# Altium PCB NORA-B1-EVK.PcbDoc (part 2 of 6)
Units mil, origin at the board's own origin, x right, y up, seen from the top; angles counter-clockwise.
Board outline 4300 x 2200 mil, 4 copper layers (L1, L2, L3, L4), stack 61.418 mil thick; 362 components, 204 nets, 1273 pads, 1409 vias.
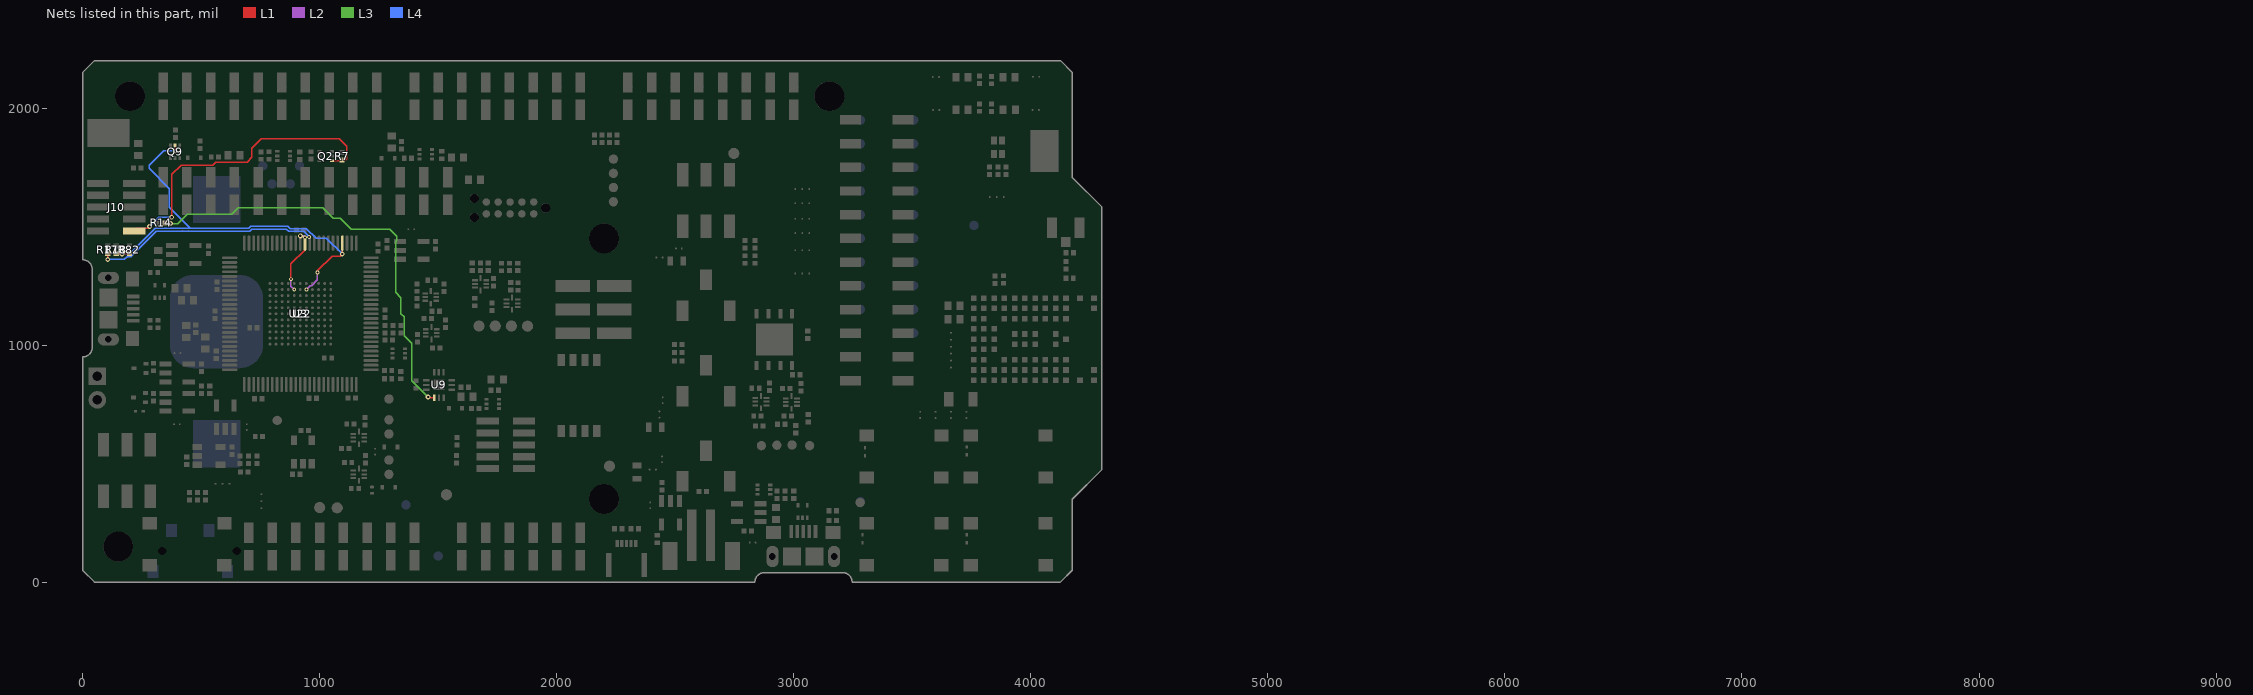
[diagram p4: the nets of this part, all layers, seen from the top]

## Footprints (in the part's own frame and the unit in brackets; to place one, negate y for a bottom-side part, rotate by r counter-clockwise, add the part's x,y. Pads: shape width x height; smd on the part's side, far side on the other; paste and mask are expansions set on the pad) (continued)
Solderbridge-Option#2 [mm]
  round 0.2 smd paste-10: 1(0,0) 2(0.75,0) 3(1.501,0)
  L1 region: 1.265,0.432 1.341,0.505 1.459,0.467 1.523,0.424 1.597,0.351 1.65,0.292 1.709,0.193 1.737,0.099 1.732,-0.122 1.706,-0.193 1.623,-0.33 1.539,-0.411 1.447,-0.469 1.346,-0.5 1.295,-0.483 1.265,-0.43
  L1 region: 0.236,-0.432 0.16,-0.505 0.042,-0.467 -0.023,-0.424 -0.097,-0.351 -0.15,-0.292 -0.208,-0.193 -0.236,-0.099 -0.231,0.122 -0.206,0.193 -0.122,0.33 -0.038,0.411 0.054,0.469 0.155,0.5 0.206,0.483 0.236,0.43
  L1 region: 0.575,0.45 0.575,-0.45 0.925,-0.45 0.925,0.45
  L1 lines w0.152: 0.159,-0.431 cw(c0.27,0) 0.159,0.431 ; 1.341,-0.431 ccw(c1.231,0) 1.675,0 ccw(c1.231,0) 1.423,0.401 ccw(c1.231,0) 1.341,0.431
  L1 lines w0.153: 0.575,-0.45 0.925,-0.45 0.925,0.45 0.575,0.45 0.575,-0.45
  L1 lines w0.203: 0,0 0.75,0
Solderbridge-Option#3 [mm]
  round 0.2 smd paste-10: 1(0,0) 2(0.75,0) 3(1.501,0)
  L1 region: 1.265,0.432 1.341,0.505 1.459,0.467 1.523,0.424 1.597,0.351 1.65,0.292 1.709,0.193 1.737,0.099 1.732,-0.122 1.706,-0.193 1.623,-0.33 1.539,-0.411 1.447,-0.469 1.346,-0.5 1.295,-0.483 1.265,-0.43
  L1 region: 0.236,-0.432 0.16,-0.505 0.042,-0.467 -0.023,-0.424 -0.097,-0.351 -0.15,-0.292 -0.208,-0.193 -0.236,-0.099 -0.231,0.122 -0.206,0.193 -0.122,0.33 -0.038,0.411 0.054,0.469 0.155,0.5 0.206,0.483 0.236,0.43
  L1 region: 0.575,0.45 0.575,-0.45 0.925,-0.45 0.925,0.45
  L1 lines w0.152: 0.159,-0.431 cw(c0.27,0) 0.159,0.431 ; 1.341,-0.431 ccw(c1.231,0) 1.501,-0.353 ccw(c1.231,0) 1.649,-0.149 ccw(c1.231,0) 1.675,0 ccw(c1.231,0) 1.501,0.353 ccw(c1.231,0) 1.341,0.431
  L1 lines w0.153: 0.575,-0.45 0.925,-0.45 0.925,0.45 0.575,0.45 0.575,-0.45
  L1 lines w0.203: 0,0 0.75,0
Solderbridge-Option#4 [mm]
  round 0.2 smd paste-10: 1(0,0) 2(0.75,0) 3(1.501,0)
  L1 region: 1.265,0.432 1.341,0.505 1.459,0.467 1.523,0.424 1.597,0.351 1.65,0.292 1.709,0.193 1.737,0.099 1.732,-0.122 1.706,-0.193 1.623,-0.33 1.539,-0.411 1.447,-0.469 1.346,-0.5 1.295,-0.483 1.265,-0.43
  L1 region: 0.236,-0.432 0.16,-0.505 0.042,-0.467 -0.023,-0.424 -0.097,-0.351 -0.15,-0.292 -0.208,-0.193 -0.236,-0.099 -0.231,0.122 -0.206,0.193 -0.122,0.33 -0.038,0.411 0.054,0.469 0.155,0.5 0.206,0.483 0.236,0.43
  L1 region: 0.575,0.45 0.575,-0.45 0.925,-0.45 0.925,0.45
  L1 lines w0.152: 0.159,-0.431 cw(c0.27,0) 0.159,0.431 ; 1.341,-0.431 ccw(c1.231,0) 1.501,-0.353 ccw(c1.231,0) 1.649,-0.149 ccw(c1.231,0) 1.675,0 ccw(c1.231,0) 1.649,0.149 ccw(c1.231,0) 1.549,0.31 ccw(c1.231,0) 1.341,0.431
  L1 lines w0.153: 0.575,-0.45 0.925,-0.45 0.925,0.45 0.575,0.45 0.575,-0.45
  L1 lines w0.203: 0,0 0.75,0
Solderbridge-Option#5 [mm]
  round 0.2 smd paste-10: 1(0,0) 2(0.75,0) 3(1.501,0)
  L1 region: 0.575,0.45 0.575,-0.45 0.925,-0.45 0.925,0.45
  L1 region: 0.236,-0.432 0.16,-0.505 0.042,-0.467 -0.023,-0.424 -0.097,-0.351 -0.15,-0.292 -0.208,-0.193 -0.236,-0.099 -0.231,0.122 -0.206,0.193 -0.122,0.33 -0.038,0.411 0.054,0.469 0.155,0.5 0.206,0.483 0.236,0.43
  L1 region: 1.265,0.432 1.341,0.505 1.459,0.467 1.523,0.424 1.597,0.351 1.65,0.292 1.709,0.193 1.737,0.099 1.732,-0.122 1.706,-0.193 1.623,-0.33 1.539,-0.411 1.447,-0.469 1.346,-0.5 1.295,-0.483 1.265,-0.43
  L1 lines w0.152: 0.159,-0.431 cw(c0.27,0) 0.159,0.431 ; 1.341,-0.431 ccw(c1.231,0) 1.649,-0.149 ccw(c1.231,0) 1.675,0 ccw(c1.231,0) 1.661,0.112 ccw(c1.231,0) 1.649,0.149 ccw(c1.231,0) 1.501,0.353 ccw(c1.231,0) 1.341,0.431
  L1 lines w0.153: 0.575,-0.45 0.575,0 0.575,0.45 0.744,0.45 0.912,0.45 0.925,0.45 0.925,0 0.925,-0.45 0.575,-0.45
  L1 lines w0.203: 0,0 0.575,0 0.75,0
Solderbridge-Option#6 [mm]
  round 0.2 smd paste-10: 1(0,0) 2(0.75,0) 3(1.501,0)
  L1 region: 1.265,0.432 1.341,0.505 1.459,0.467 1.523,0.424 1.597,0.351 1.65,0.292 1.709,0.193 1.737,0.099 1.732,-0.122 1.706,-0.193 1.623,-0.33 1.539,-0.411 1.447,-0.469 1.346,-0.5 1.295,-0.483 1.265,-0.43
  L1 region: 0.575,0.45 0.575,-0.45 0.925,-0.45 0.925,0.45
  L1 region: 0.236,-0.432 0.16,-0.505 0.042,-0.467 -0.023,-0.424 -0.097,-0.351 -0.15,-0.292 -0.208,-0.193 -0.236,-0.099 -0.231,0.122 -0.206,0.193 -0.122,0.33 -0.038,0.411 0.054,0.469 0.155,0.5 0.206,0.483 0.236,0.43
  L1 lines w0.152: 0.159,-0.431 cw(c0.27,0) 0.159,0.431 ; 1.341,-0.431 ccw(c1.231,0) 1.675,0 ccw(c1.231,0) 1.341,0.431
  L1 lines w0.153: 0.575,-0.45 0.575,0.45 0.925,0.45 0.925,-0.45 0.575,-0.45
  L1 lines w0.203: 0,0 0.75,0
Solderbridge-Option#7 [mm]
  round 0.2 smd paste-10: 1(0,0) 2(0.75,0) 3(1.501,0)
  L1 region: 0.236,-0.432 0.16,-0.505 0.042,-0.467 -0.023,-0.424 -0.097,-0.351 -0.15,-0.292 -0.208,-0.193 -0.236,-0.099 -0.231,0.122 -0.206,0.193 -0.122,0.33 -0.038,0.411 0.054,0.469 0.155,0.5 0.206,0.483 0.236,0.43
  L1 region: 0.575,0.45 0.575,-0.45 0.925,-0.45 0.925,0.45
  L1 region: 1.265,0.432 1.341,0.505 1.459,0.467 1.523,0.424 1.597,0.351 1.65,0.292 1.709,0.193 1.737,0.099 1.732,-0.122 1.706,-0.193 1.623,-0.33 1.539,-0.411 1.447,-0.469 1.346,-0.5 1.295,-0.483 1.265,-0.43
  L1 lines w0.152: 1.341,-0.431 ccw(c1.231,0) 1.501,0.353 ccw(c1.231,0) 1.341,0.431 ; 0.159,-0.431 cw(c0.27,0) 0,-0.353 cw(c0.27,0) 0,0.353 cw(c0.27,0) 0.159,0.431
  L1 lines w0.153: 0.925,-0.45 0.925,0 0.925,0.45 0.74,0.45 0.575,0.45 0.575,0 0.575,-0.45 0.925,-0.45
  L1 lines w0.203: 0.75,0 0.74,0 0.575,0 0,0
Solderbridge-Short [mm]
  round 0.2 smd paste-10: 1(0,0) 2(0.676,0)
  L1 region: 0.44,0.432 0.516,0.505 0.634,0.467 0.698,0.424 0.772,0.351 0.826,0.292 0.884,0.193 0.912,0.099 0.907,-0.122 0.881,-0.193 0.798,-0.33 0.714,-0.411 0.622,-0.469 0.521,-0.5 0.47,-0.483 0.44,-0.43
  L1 region: 0.236,-0.432 0.16,-0.505 0.042,-0.467 -0.023,-0.424 -0.097,-0.351 -0.15,-0.292 -0.208,-0.193 -0.236,-0.099 -0.231,0.122 -0.206,0.193 -0.122,0.33 -0.038,0.411 0.054,0.469 0.155,0.5 0.206,0.483 0.236,0.43
  L1 lines w0.152: 0.516,0.431 cw(c0.406,0) 0.516,-0.431 ; 0.159,0.431 ccw(c0.27,0) 0.159,-0.431
  L1 lines w0.203: 0.676,0 0,0
SOP1.27P6.2x6.2-8Pin [mm] "SOP, 8-Leads, Body 6.2x6.2mm, Pitch 1.27mm"
  rect 1.27x0.76 smd: 1(-3.81,1.905) 2(-3.81,0.635) 3(-3.81,-0.635) 4(-3.81,-1.905) 5(3.81,-1.905) 6(3.81,-0.635) 7(3.81,0.635) 8(3.81,1.905)
  silkscreen extent -3.93,-3.1 2.78,3.1, body extent -4.09,-3.1 4.04,3.11, height 2.36
SOT-23-5_2 [mm] "SOT-23-5, 1.625mm x 2.9mm"
  rect 1.3x0.55 smd: 1(-1.25,0.95) 2(-1.25,0) 3(-1.25,-0.95) 4(1.25,-0.95) 5(1.25,0.95)
  silkscreen extent -1.71,1.39 -1.69,1.41, body extent -1.4,-1.45 1.4,1.45, height 1.45
SOT-23-5_3D_Body_Fix [mm] "SOT23-5, 5-Leads, Body 3.1x2.8mm, Pitch 0.95mm, IPC Medium Density"
  rect 1.05x0.66 smd: 1(-1.25,0.95) 2(-1.25,0) 3(-1.25,-0.95) 4(1.25,-0.95) 5(1.25,0.95)
  silkscreen extent -0.9,-1.58 0.92,1.58, body extent -1.4,-1.45 1.4,1.45, height 1.45
SOT-523 [mm] "SOT-523 package, IPC Medium density"
  rect 0.4x0.51 smd: 1(-0.5,-0.65) 2(0.5,-0.65) 3(0,0.65)
  silkscreen extent -0.88,-0.46 0.88,0.48, body extent -0.8,-0.8 0.8,0.8, height 0.8
SOT-553 [mm] "SOT-553, 5 lead 0.50mm pitch, 1.3mm x 1.7mm"
  rect 0.45x0.3 smd mask+0.05: 1(-0.675,0.5) 2(-0.675,0) 3(-0.675,-0.5) 4(0.675,-0.5) 5(0.675,0.5)
  silkscreen extent -0.92,-0.85 0.3,1.17, body extent -0.68,-0.85 0.67,0.85, height 0.6
SOT-563 [mm] "SOTFL, 6-Leads, Body 1.60x1.60mm, Pitch 0.50mm"
  rect 0.45x0.3 smd: 1(-0.675,0.5) 2(-0.675,0) 3(-0.675,-0.5) 4(0.675,-0.5) 5(0.675,0) 6(0.675,0.5)
  silkscreen extent -0.89,-0.85 0.05,1.14, body extent -0.63,-0.83 0.63,0.82, height 0.6
SSM-112-F-DV [mm] "24 Position Receptacle, Pass Through Connector Surface Moun"
  rect 1.01x2.238 smd: 1(-13.97,-2.825) 2(-13.97,2.825) 3(-11.43,-2.825) 4(-11.43,2.825) 5(-8.89,-2.825) 6(-8.89,2.825) 7(-6.35,-2.825) 8(-6.35,2.825) 9(-3.81,-2.825) 10(-3.81,2.825) 11(-1.27,-2.825) 12(-1.27,2.825) 13(1.27,-2.825) 14(1.27,2.825) 15(3.81,-2.825) 16(3.81,2.825) 17(6.35,-2.825) 18(6.35,2.825) 19(8.89,-2.825) 20(8.89,2.825) 21(11.43,-2.825) 22(11.43,2.825) 23(13.97,-2.825) 24(13.97,2.825)
  silkscreen extent -15.24,-2.54 15.24,2.54, body extent -15.24,-3.52 15.24,3.52, height 7.42
SW_Slide_DPDT_JS202011SCQN [mm] "SWITCH SLIDE DPDT 300MA 6V SMD"
  rect 1.2x2.5 smd: 1(-2.5,-2.75) 2(0,-2.75) 3(2.5,-2.75) 4(-2.5,2.75) 5(0,2.75) 6(2.5,2.75)
  silkscreen extent -4.5,-2.47 4.5,1.8, body extent -4.52,-3.75 4.52,3.75, height 5.5
SW_TACT_SMT_6mm [mm] "Tactile Switch, SMT 6mm x 6mm, height 4.3mm, actuator 160gf"
  rect 1.55x1.3 smd: 1(-4,2.25) 3(-4,-2.25) 4(4,-2.25)
  rect 1.5x1.3 smd: 2(4,2.25)
  silkscreen extent -4.5,-3.3 4.5,3.3, body extent -4.5,-3.1 4.5,3.1, height 4.29
TC2050-IDC-NL [mm] "CON PADS FOR CBL PLUG-OF-NAILS 10-PIN NO LEGS"
  round 0.8 smd paste-0.9: 1(0,0) 2(1.27,0) 3(2.54,0) 4(3.81,0) 5(5.08,0) 6(5.08,1.27) 7(3.81,1.27) 8(2.54,1.27) 9(1.27,1.27) 10(0,1.27)
  round 1 hole 1 unplated paste-1.1: A(-1.27,0.635) B(6.35,-0.381) C(6.35,1.651)
  L1 pour cut-out: 0,1.27 5.08,1.27 5.08,0 0,0
TP4.5x3Sq [mm] "Test Point, 4.5mm x 3.0mm Square"
  rect 4.5x3 smd paste-2.54: 1(0,0)
TP10R [mm] "Testpoint, Round 1.0mm Dia"
  round 1 smd paste-0.5: 1(0,0)
  silkscreen extent -0.7,-0.7 0.7,0.7, body extent -0.5,-0.5 0.5,0.5, height 0.05
TP10R_NO_SILK [mm] "Testpoint, Round 1.0mm Dia, No Silkscreen"
  round 1 smd paste-0.5: 1(0,0)
  body extent -0.5,-0.5 0.5,0.5, height 0.05
TP12R [mm] "Testpoint, Round 1.2mm Dia"
  round 1.2 smd paste-0.635: 1(0,0)
  silkscreen extent -0.8,-0.8 0.8,0.8, body extent -0.6,-0.6 0.6,0.6, height 0.05
TSM-113-01-L-SV [mm] "Connector Header Surface Mount 13 position 0.100\" (2.54mm)"
  rect 1.02x2.19 smd: 1(0,-1.465) 1(0,1.465) 2(2.54,-1.465) 2(2.54,1.465) 3(5.08,-1.465) 3(5.08,1.465) 4(7.62,-1.465) 4(7.62,1.465) 5(10.16,-1.465) 5(10.16,1.465) 6(12.7,-1.465) 6(12.7,1.465) 7(15.24,-1.465) 7(15.24,1.465) 8(17.78,-1.465) 8(17.78,1.465) 9(20.32,-1.465) 9(20.32,1.465) 10(22.86,-1.465) 10(22.86,1.465) 11(25.4,-1.465) 11(25.4,1.465) 12(27.94,-1.465) 12(27.94,1.465) 13(30.48,-1.465) 13(30.48,1.465)
  silkscreen extent -1.27,-1.27 31.75,1.27, body extent -1.27,-2.5 31.75,2.5, height 9.82
TSQFP50P1600X1600X160-100N [mm] "BGA 121Pin, 0.5mm pitch, 8mm x 8mm x 0.75mm, Medium Density"
  oval 1.65x0.3 smd mask+0.05: 1(-7.575,6) 2(-7.575,5.5) 3(-7.575,5) 4(-7.575,4.5) 5(-7.575,4) 6(-7.575,3.5) 7(-7.575,3) 8(-7.575,2.5) 9(-7.575,2) 10(-7.575,1.5) 11(-7.575,1) 12(-7.575,0.5) 13(-7.575,0) 14(-7.575,-0.5) 15(-7.575,-1) 16(-7.575,-1.5) 17(-7.575,-2) 18(-7.575,-2.5) 19(-7.575,-3) 20(-7.575,-3.5) 21(-7.575,-4) 22(-7.575,-4.5) 23(-7.575,-5) 24(-7.575,-5.5) 25(-7.575,-6) 51(7.575,-6) 52(7.575,-5.5) 53(7.575,-5) 54(7.575,-4.5) 55(7.575,-4) 56(7.575,-3.5) 57(7.575,-3) 58(7.575,-2.5) 59(7.575,-2) 60(7.575,-1.5) 61(7.575,-1) 62(7.575,-0.5) 63(7.575,0) 64(7.575,0.5) 65(7.575,1) 66(7.575,1.5) 67(7.575,2) 68(7.575,2.5) 69(7.575,3) 70(7.575,3.5) 71(7.575,4) 72(7.575,4.5) 73(7.575,5) 74(7.575,5.5) 75(7.575,6)
  oval 0.3x1.65 smd mask+0.05: 26(-6,-7.575) 27(-5.5,-7.575) 28(-5,-7.575) 29(-4.5,-7.575) 30(-4,-7.575) 31(-3.5,-7.575) 32(-3,-7.575) 33(-2.5,-7.575) 34(-2,-7.575) 35(-1.5,-7.575) 36(-1,-7.575) 37(-0.5,-7.575) 38(0,-7.575) 39(0.5,-7.575) 40(1,-7.575) 41(1.5,-7.575) 42(2,-7.575) 43(2.5,-7.575) 44(3,-7.575) 45(3.5,-7.575) 46(4,-7.575) 47(4.5,-7.575) 48(5,-7.575) 49(5.5,-7.575) 50(6,-7.575) 76(6,7.575) 77(5.5,7.575) 78(5,7.575) 79(4.5,7.575) 80(4,7.575) 81(3.5,7.575) 82(3,7.575) 83(2.5,7.575) 84(2,7.575) 85(1.5,7.575) 86(1,7.575) 87(0.5,7.575) 88(0,7.575) 89(-0.5,7.575) 90(-1,7.575) 91(-1.5,7.575) 92(-2,7.575) 93(-2.5,7.575) 94(-3,7.575) 95(-3.5,7.575) 96(-4,7.575) 97(-4.5,7.575) 98(-5,7.575) 99(-5.5,7.575) 100(-6,7.575)
  silkscreen extent -7.7,-6.35 6.35,6.82, body extent -8,-8 8,8, height 1.6
U.FL_3Pin [mm] "U.FL Coax Jack, 50 ohm, 3 Pins, 3mm x 3.1mm"
  rect 1x1.05 smd: 1(0,-1.5)
  rect 1.05x2.2 smd: 2(-1.475,0) 2(1.475,0)
  body extent -1.5,-1.55 1.5,1.55, height 1.24
USB_MICRO_RA_W-2TABS [mm] "USB Micro-AB Connector, 5-Leads, Pitch 0.65mm, 8mm x 5mm"
  rect 0.4x1.35 smd: 1(-1.3,2.675) 2(-0.65,2.675) 3(0,2.675) 4(0.65,2.675) 5(1.3,2.675)
  oval 1.3x2.3 hole 0.7 slot 1.7 at 90 deg: 6(-3.3,0) 6(3.3,0.001)
  rect 1.6x1.4 smd: 6(-3.2,2.575) 6(3.2,2.575)
  rect 1.9x1.9 smd: 6(-1.2,0) 6(1.2,0)
  silkscreen extent -3.9,1.2 3.9,3.97, body extent -3.9,-2.71 3.95,2.95, height 2.87
WSON1.27P-8Pin_W-Pad [mm]
  rect 0.44x0.98 smd: 1(-1.905,-2.765) 2(-0.635,-2.765) 3(0.635,-2.765) 4(1.905,-2.765) 5(1.905,2.765) 6(0.635,2.765) 7(-0.635,2.765) 8(-1.905,2.765)
  rect 4x3.4 smd paste-4 mask+0: 9(0,0)
  silkscreen extent -2.94,-3.88 2.5,3, body extent -2.5,-3.05 2.5,3.05, height 0.8
XTAL_3215 [mm] "XTAL, 2-Leads, Body 1.50x3.20mm"
  rect 1x1.55 smd: 1(-1.3,0) 2(1.3,0)
  silkscreen extent -1.7,0.98 -1.6,1.07, body extent -1.65,-0.8 1.65,0.8, height 0.9

## Part data
BAT1: "BATTERY HOLDER COIN SMT CR2016 CR2020 CR2025 CR2032 HARWIN S8211-46R", Max Operating Temp=105°C, Min Operating Temp=-40°C, Editor=eric.moog, Env=ROHS, Part Number=UBXH03-0000010, Part Type=Battery, Perferred=PREF, Permitted Use="Support Products", RefDes=BT, UBX Wiki=https://wiki.u-blox.com/bin/view/Operations/PartDetails?index=38906
C1 C3 C7 C8 C10 C11 C13 C14 C16 C17 C18 C21 C24 C28 C29 C30 C31 C32 C33 C34 C35 C36 C37 C38 C42 C43 C46 C50 C56 C57 C58 C59 C60 C61: library part UBXH01-2021002, "CAP CER X5R 0402 100N 10% 10V", Manufacturer="Murata Manufacturing Company, Ltd.", Manufacturer 2="Samsung Electro-Mechanics", Manufacturer P/N=GRM155R61A104KA01, Manufacturer P/N 2=CL05A104KP5NNN, Max Voltage=10V, Tolerance=10%, Editor=roland.rust, Env=GREEN, Mfg P/N Datasheet 2=https://wiki.u-blox.com/bin/view/Generic/Docs/DocumentSummary?index=28113, Mfg P/N Released=Yes, Mfg P/N Released 2=Yes, Mfg P/N Split=100, Mfg P/N Split 2=0, Mfg P/N Status=NRND, Mfg P/N Status 2=Active, Part Number=UBXH01-2021002, Part Type=Capacitor, Perferred=PREF, Permitted Use="Volume Products", RefDes=C, Release Data=2005-07-22T13:59:44, Released by=roland.rust, Size=0402, UBX Wiki=https://wiki.u-blox.com/bin/view/Operations/PartDetails?index=5759
C2 C20 C47: library part UBXH01-0000040, "CAP CER X5R 0603 10U 20% 10V", Manufacturer="Taiyo Yuden Company, Ltd.", Manufacturer 2="Murata Manufacturing Company, Ltd.", Manufacturer P/N=LMK107BBJ106MALT, Manufacturer P/N 2=GRM188R61A106KAAL, Manufacturer P/N 3=LMK107BJ106MALTD, Max Voltage=10V, Tolerance=20%, Editor=pierpaolo.arban, Env=ROHS, Manufacturer 3="Taiyo Yuden Company, Ltd.", Mfg P/N Datasheet=https://wiki.u-blox.com/bin/view/Generic/Docs/DocumentSummary?index=16905, Mfg P/N Datasheet 2=https://wiki.u-blox.com/bin/view/Generic/Docs/DocumentSummary?index=27232, Mfg P/N Datasheet 3=https://wiki.u-blox.com/bin/view/Generic/Docs/DocumentSummary?index=29392, Mfg P/N Released=Yes, Mfg P/N Released 2=Yes, Mfg P/N Released 3=Yes, Mfg P/N Split=100, Mfg P/N Split 2=0, Mfg P/N Split 3=0, Mfg P/N Status=Active, Mfg P/N Status 2=Active, Mfg P/N Status 3=NRND, Part Number=UBXH01-0000040, Part Type=Capacitor, Perferred=PREF, Permitted Use="Volume Products", RefDes=C, Release Data=2013-01-10T11:54:39, Released by=matej.budin, Size=0603, UBX Wiki=https://wiki.u-blox.com/bin/view/Operations/PartDetails?index=16909
C4 C5 C6 C22 C23 C25 C26 C27 C39 C40 C44 C45 C51 C52: library part UBXH01-0000248, "CAP CER X5R 0402 1U 10% 10V", Manufacturer="Murata Manufacturing Company, Ltd.", Manufacturer 2="TDK Corporation", Manufacturer 3="Samsung Electro-Mechanics", Manufacturer P/N=GRM155R61C105KA12, Manufacturer P/N 2=C1005X5R1E105K050BC, Manufacturer P/N 3=CL05A105KA5NQNC, Max Operating Temp=85°C, Max Voltage=10V, Min Operating Temp=-40°C, Tolerance=10%, Editor=michael.hein, Env=ROHS, Mfg P/N Datasheet=https://wiki.u-blox.com/bin/view/Generic/Docs/DocumentSummary?index=29581, Mfg P/N Datasheet 2=https://wiki.u-blox.com/bin/view/Generic/Docs/DocumentSummary?index=28058, Mfg P/N Datasheet 3=https://wiki.u-blox.com/bin/view/Generic/Docs/DocumentSummary?index=28056, Mfg P/N Released=Yes, Mfg P/N Released 2=Yes, Mfg P/N Released 3=Yes, Mfg P/N Split=100, Mfg P/N Split 2=0, Mfg P/N Split 3=0, Mfg P/N Status=Active, Mfg P/N Status 2=Active, Mfg P/N Status 3=Active, Part Number=UBXH01-0000248, Part Type=Capacitor, Perferred=PREF, Permitted Use="Volume Products", RefDes=C, Release Data=2016-03-16T11:26:35, Released by=igor.shevchenko, Size=0402, UBX Wiki=https://wiki.u-blox.com/bin/view/Operations/PartDetails?index=24378
C9 C12: library part UBXH01-0009002, "CAP CER C0G 0402 1P0 +/-0.1P 50V", Manufacturer="Murata Manufacturing Company, Ltd.", Manufacturer P/N=GRM1555C1H1R0BA01, Manufacturer P/N 2=GRM1555C1H1R0BZ01, Max Operating Temp=125°C, Max Voltage=50V, Min Operating Temp=-55°C, Tolerance=+/-0.1P, Editor=massimo.vlacci, Env=ROHS, Manufacturer 2="Murata Manufacturing Company, Ltd.", Mfg P/N Released=Yes, Mfg P/N Released 2=No, Mfg P/N Split=100, Mfg P/N Split 2=0, Mfg P/N Status=NRND, Mfg P/N Status 2=Obsolete, Part Number=UBXH01-0009002, Part Type=Capacitor, Perferred=PREF, Permitted Use="Volume Products", RefDes=C, Release Data=2010-02-19T10:36:53, Released by=sandro.sestan, Size=0402, UBX Wiki=https://wiki.u-blox.com/bin/view/Operations/PartDetails?index=5431
C15 C19 C53 C54 C55: library part UBXH01-2002003, "CAP CER X5R 0603 4U7 10% 6.3V", Manufacturer="Murata Manufacturing Company, Ltd.", Manufacturer 3="Samsung Electro-Mechanics", Manufacturer P/N=GRM188R61C475KE11, Manufacturer P/N 2=GRM188R61E475KE11, Manufacturer P/N 3=CL10A475KO8NNN, Max Voltage=6.3V, Tolerance=10%, Editor=philippe.largier, Env=GREEN, Manufacturer 2="Murata Manufacturing Company, Ltd.", Mfg P/N Datasheet=https://wiki.u-blox.com/bin/view/Generic/Docs/DocumentSummary?index=30154, Mfg P/N Datasheet 2=https://wiki.u-blox.com/bin/view/Generic/Docs/DocumentSummary?index=30500, Mfg P/N Datasheet 3=https://wiki.u-blox.com/bin/view/Generic/Docs/DocumentSummary?index=28177, Mfg P/N Released=Yes, Mfg P/N Released 2=Yes, Mfg P/N Released 3=Yes, Mfg P/N Split=100, Mfg P/N Split 2=0, Mfg P/N Split 3=0, Mfg P/N Status=Active, Mfg P/N Status 2=Active, Mfg P/N Status 3=NRND, Part Number=UBXH01-2002003, Part Type=Capacitor, Perferred=PREF, Permitted Use="Volume Products", RefDes=C, Release Data=2016-02-02T16:39:45, Released by=roland.rust, Size=0603, UBX Wiki=https://wiki.u-blox.com/bin/view/Operations/PartDetails?index=5742
C41: library part UBXH01-0000013, "CAP CER X7R 0402 1N0 10% 50V", Manufacturer="Murata Manufacturing Company, Ltd.", Manufacturer P/N=GRM155R71H102KA01, Max Voltage=50V, Tolerance=10%, Editor=massimo.vlacci, Env=ROHS, Mfg P/N Datasheet=https://wiki.u-blox.com/bin/view/Generic/Docs/DocumentSummary?index=22572, Mfg P/N Released=Yes, Mfg P/N Split=100, Mfg P/N Status=NRND, Part Number=UBXH01-0000013, Part Type=Capacitor, Perferred=PREF, Permitted Use="Volume Products", RefDes=C, Release Data=2015-04-23T14:26:43, Released by=dario.antonaz, Size=0402, UBX Wiki=https://wiki.u-blox.com/bin/view/Operations/PartDetails?index=8466
C48 C49: library part UBXH01-0000594, "CAP CER C0G 0402 300P 50V", Manufacturer="Murata Manufacturing Company, Ltd.", Manufacturer P/N=GRM1555C1H301JA01D, Max Operating Temp=125°C, Max Voltage=50V, Min Operating Temp=-55°C, Editor=eric.moog, Env=ROHS, Mfg P/N Released=No, Mfg P/N Split=100, Mfg P/N Status=Active, Part Number=UBXH01-0000594, Part Type=Capacitor, Perferred=PREF, Permitted Use="Volume Products", RefDes=C, Size=0402, UBX Wiki=https://wiki.u-blox.com/bin/view/Operations/PartDetails?index=38856
D1 D10: "TVS DIODE 5.5VWM", Manufacturer="Texas Instruments", Manufacturer P/N=TPD3E001DRLR, Max Operating Temp=85°C, Min Operating Temp=-40°C, Editor=hozaifa.abdelgadir, Env=GREEN, Mfg P/N Datasheet=https://wiki.u-blox.com/bin/view/Generic/Docs/DocumentSummary?index=38197, Mfg P/N Released=No, Mfg P/N Split=100, Mfg P/N Status=Active, Part Number=UBXH07-0000086, Part Type=Diode, Perferred=PREF, Permitted Use="Support Products", RefDes=D, UBX Wiki=https://wiki.u-blox.com/bin/view/Operations/PartDetails?index=38374
D2 LED1 LED2: "LED SMD 0603 ULTRABRIGHT LITE-ON LTST-C190KRKT RED 30mA", Color=RED, Manufacturer="Lite-on Technology Corporation", Manufacturer P/N=LTST-C190KRKT, Max Current=30mA, Editor=massimo.vlacci, Env=ROHS, Mfg P/N Datasheet=https://wiki.u-blox.com/bin/view/Generic/Docs/DocumentSummary?index=16221, Mfg P/N Released=Yes, Mfg P/N Split=100, Mfg P/N Status=Active, Part Number=UBXH11-0000000, Part Type=LED, Perferred=N/A, Permitted Use="Support Products", RefDes=DS, Release Data=2009-12-03T15:33:11, Released by=sandro.sestan, Size=0603, UBX Wiki=https://wiki.u-blox.com/bin/view/Operations/PartDetails?index=7900
D5 D7 D8 D11 D12: "ESD PROTECTION DIODE ULTRA LOW LEAKAGE SOD923 ON SEMI 3V3", Manufacturer="ON Semiconductor", Manufacturer P/N=ESD9R3.3ST5G, Editor=pierpaolo.arban, Env=ROHS, Mfg P/N Datasheet=https://wiki.u-blox.com/bin/view/Generic/Docs/DocumentSummary?index=22449, Mfg P/N Released=Yes, Mfg P/N Split=100, Mfg P/N Status=Active, Part Number=UBXH07-0000034, Part Type=Diode, Perferred=PREF, Permitted Use="Support Products", RefDes=D, Release Data=2015-04-23T14:51:11, Released by=dario.antonaz, UBX Wiki=https://wiki.u-blox.com/bin/view/Operations/PartDetails?index=22447
D6 D9 D13 D14 D15: "SCHOTTKY BARRIER DIODE 30V 200mA", Manufacturer="ON Semiconductor", Manufacturer P/N=RB521S30T1G, Max Current=200mA, Max Voltage=30V, Editor=matej.budin, Env=ROHS, Mfg P/N Datasheet=https://wiki.u-blox.com/bin/view/Generic/Docs/DocumentSummary?index=22755, Mfg P/N Released=Yes, Mfg P/N Split=100, Mfg P/N Status=Active, Part Number=UBXH07-0000039, Part Type=Diode, Perferred=PREF, Permitted Use="Volume Products", RefDes=D, Release Data=2015-06-18T10:04:48, Released by=pierpaolo.arban, UBX Wiki=https://wiki.u-blox.com/bin/view/Operations/PartDetails?index=22753
FID1 FID2 FID3 FID4 FID5 FID6: library part UBXH00-0000100, "FIDUCIAL MARK 1MM DIA", Max Operating Temp=155°C, Min Operating Temp=-55°C, Editor=eric.moog, Env=ROHS, Part Number=UBXH00-0000100, Part Type=Testpoint, Perferred=PREF, Permitted Use="Volume Products", RefDes=TP, UBX Wiki=https://wiki.u-blox.com/bin/view/Operations/PartDetails?index=38802
J1: "10 -PIN RECEPTACLE BOTTOM OR TOP ENTRY VERT 2.54MM 50V 2.5A", Manufacturer="Amphenol Corporation", Manufacturer P/N=91601-310GLF, Max Current=2.5A, Max Operating Temp=150°C, Max Voltage=50V, Min Operating Temp=-65°C, Editor=eric.moog, Env=ROHS, Mfg P/N Datasheet=https://wiki.u-blox.com/bin/view/Generic/Docs/DocumentSummary?index=38560, Mfg P/N Released=No, Mfg P/N Split=100, Mfg P/N Status=Active, Part Number=UBXH04-0000788, Part Type=Connector, Perferred=N/A, Permitted Use="Support Products", RefDes=J, UBX Wiki=https://wiki.u-blox.com/bin/view/Operations/PartDetails?index=38561
J2 J3 J27: "8 -PIN RECEPTACLE BOTTOM OR TOP ENTRY VERT 2.54MM 50V 2.5A", Manufacturer="Amphenol Corporation", Manufacturer P/N=91601-308GLF, Max Current=2.5A, Max Operating Temp=150°C, Max Voltage=50V, Min Operating Temp=-65°C, Editor=eric.moog, Env=ROHS, Mfg P/N Datasheet=https://wiki.u-blox.com/bin/view/Generic/Docs/DocumentSummary?index=38560, Mfg P/N Released=No, Mfg P/N Split=100, Mfg P/N Status=Active, Part Number=UBXH04-0000789, Part Type=Connector, Perferred=N/A, Permitted Use="Support Products", RefDes=J, UBX Wiki=https://wiki.u-blox.com/bin/view/Operations/PartDetails?index=38563
J4 J5 J7 J8 J21 J22 J23 J24 JRHV JRMOD JRSHD: "SOLDERBRIDGE-SHORT", Max Operating Temp=155°C, Min Operating Temp=-55°C, Editor=aneeb.sohail, Env=GREEN, Part Number=UBXH00-0000084, Part Type=Connector, Perferred=PREF, Permitted Use="Volume Products", RefDes=J, UBX Wiki=https://wiki.u-blox.com/bin/view/Operations/PartDetails?index=36363
J6: library part UBXH04-0000802, "2-ROW SMD PCB CONN SOCKET 100MIL GRID 24-PIN 0.64MM SQUARE 405V 5.2A", Manufacturer=Samtec, Max Current=5.2A, Max Operating Temp=125°C, Max Voltage=405V, Min Operating Temp=-55°C, Part number IPS=N.A., Supplier Part Number 1=2171-212MS0CUNR1, Artikkelnr Noca=N.A., ComponentLink1Description=Datasheet, ComponentLink2Description="Supplier link", Editor=eric.moog, Env=ROHS, Footprint Doc=SOCKET_2x12_SMD-2.54mm, LatestRevisionDate=2019-08-05, Manufacturer 1=Samtec, Manufacturer P/N=SSM-112-F-DV, Manufacturer Part Number 1=SSM-112-F-DV, Mfg P/N Datasheet=https://wiki.u-blox.com/bin/view/Generic/Docs/DocumentSummary?index=21260, Mfg P/N Released=No, Mfg P/N Split=100, Mfg P/N Status=Active, Part Number=UBXH04-0000802, Part Type=Connector, Perferred=PREF, Permitted Use="Support Products", Pin Count=24, RefDes=J, Supplier 1=Cabcon, Supplier 2=Samtec, Supplier Part Number 2=SSM-112-F-DV, UBX Wiki=https://wiki.u-blox.com/bin/view/Operations/PartDetails?index=38898
J9: "1-ROW SMD-PCB CONN 13 -PIN 2.54MM STRIP 475V 4.1A", Manufacturer=Samtec, Manufacturer P/N=TSM-113-01-L-SV, Max Current=4.1A, Max Operating Temp=125°C, Max Voltage=475V, Min Operating Temp=-55°C, Editor=eric.moog, Env=ROHS, Mfg P/N Datasheet=https://wiki.u-blox.com/bin/view/Generic/Docs/DocumentSummary?index=15851, Mfg P/N Released=No, Mfg P/N Split=100, Mfg P/N Status=Active, Part Number=UBXH04-0000801, Part Type=Connector, Perferred=PREF, Permitted Use="Support Products", RefDes=J, UBX Wiki=https://wiki.u-blox.com/bin/view/Operations/PartDetails?index=38895
J10 J20: "2-ROW SMD-PCB CONN 50MIL GRID 10 -PIN 0.41MM SQUARE 4.0MM KEYED", Manufacturer=Samtec, Manufacturer P/N=FTSH-105-01-L-DV-K, Max Operating Temp=85°C, Min Operating Temp=-40°C, Editor=par.hakansson, Env=ROHS, Mfg P/N Datasheet=https://wiki.u-blox.com/bin/view/Generic/Docs/DocumentSummary?index=20824, Mfg P/N Released=Yes, Mfg P/N Split=100, Mfg P/N Status=Active, Part Number=UBXH04-0000194, Part Type=Connector, Perferred=PREF, Permitted Use="Volume Products", RefDes=J, Release Data=2015-11-06T11:35:39, Released by=adam.johansson, UBX Wiki=https://wiki.u-blox.com/bin/view/Operations/PartDetails?index=20823
J11: "TAG-CONNECT TC2050-IDC-NL 10-PIN PROBE PROGRAMMING HEADER NO LEGS TC2050-IDC-NL", Manufacturer=Tag-Connect, Manufacturer P/N=TC2050-IDC-NL, Max Operating Temp=155°C, Min Operating Temp=-55°C, Editor=eric.moog, Env=ROHS, Mfg P/N Datasheet=https://wiki.u-blox.com/bin/view/Generic/Docs/DocumentSummary?index=38952, Mfg P/N Released=No, Mfg P/N Split=100, Mfg P/N Status=Active, Part Number=UBXH00-0000101, Part Type=Connector, Perferred=PREF, Permitted Use="Support Products", RefDes=J, UBX Wiki=https://wiki.u-blox.com/bin/view/Operations/PartDetails?index=38953
J12: "CONN U.FL STRAIGHT RECEPTACLE", Manufacturer=Hirose, Manufacturer 2=Toptek, Manufacturer P/N=U.FL-R-SMT-1(80), Manufacturer P/N 2=AB02001-126, Max Operating Temp=105°C, Min Operating Temp=-40°C, Editor=cam.nichols, Env=GREEN, Mfg P/N Datasheet=https://wiki.u-blox.com/bin/view/Generic/Docs/DocumentSummary?index=32065, Mfg P/N Datasheet 2=https://wiki.u-blox.com/bin/view/Generic/Docs/DocumentSummary?index=33337, Mfg P/N Released=No, Mfg P/N Released 2=No, Mfg P/N Split=100, Mfg P/N Split 2=0, Mfg P/N Status=Active, Mfg P/N Status 2=Active, Part Number=UBXH04-0000657, Part Type=Connector, Perferred=PREF, Permitted Use="Volume Products", RefDes=J, Release Data=2020-09-04T22:33:09, Released by=eric.moog, UBX Wiki=https://wiki.u-blox.com/bin/view/Operations/PartDetails?index=33335
J13 J29: "CONN RECEPTACLE USB MICRO B 5-PIN SMD TH RA 5.5V 1.8A", Manufacturer="Amphenol Commercial Products (Amphenol ICC)", Manufacturer P/N=10118193-0001LF, Max Current=1.8A, Max Operating Temp=85°C, Max Voltage=5.5V, Min Operating Temp=-30°C, Editor=eric.moog, Env=ROHS, Mfg P/N Datasheet=https://wiki.u-blox.com/bin/view/Generic/Docs/DocumentSummary?index=38943, Mfg P/N Released=No, Mfg P/N Split=100, Mfg P/N Status=Active, Part Number=UBXH04-0000804, Part Type=Connector, Perferred=N/A, Permitted Use="Support Products", RefDes=J, UBX Wiki=https://wiki.u-blox.com/bin/view/Operations/PartDetails?index=38944
J14 J18 J25: "1-ROW SMD CONN 100MIL GRID 3 -PIN 100V 3A", Manufacturer=HARWiN, Manufacturer P/N=M20-8770342, Max Current=3A, Max Operating Temp=105°C, Max Voltage=100V, Min Operating Temp=-40°C, Editor=eric.moog, Env=ROHS, Mfg P/N Datasheet=https://wiki.u-blox.com/bin/view/Generic/Docs/DocumentSummary?index=28457, Mfg P/N Released=No, Mfg P/N Split=100, Mfg P/N Status=Active, Part Number=UBXH04-0000792, Part Type=Connector, Perferred=N/A, Permitted Use="Support Products", RefDes=J, UBX Wiki=https://wiki.u-blox.com/bin/view/Operations/PartDetails?index=38569
J15: "2-ROW CONN SMD VERT 2X06 PIN 2.54MM 100V 2A", Manufacturer=molex, Manufacturer P/N=0015912060, Max Current=2A, Max Operating Temp=85°C, Max Voltage=100V, Min Operating Temp=-40°C, Editor=eric.moog, Env=ROHS, Mfg P/N Datasheet=https://wiki.u-blox.com/bin/view/Generic/Docs/DocumentSummary?index=38946, Mfg P/N Released=No, Mfg P/N Split=100, Mfg P/N Status=Active, Part Number=UBXH04-0000805, Part Type=Connector, Perferred=PREF, Permitted Use="Support Products", RefDes=J, UBX Wiki=https://wiki.u-blox.com/bin/view/Operations/PartDetails?index=38947
J16 J19 JCLK JCS JIO1 JIO2 JIO3 JIO4 JLED1 JRST1 JRST2: "SOLDERBRIDGE-OPTION", Max Operating Temp=155°C, Min Operating Temp=-55°C, Editor=aneeb.sohail, Env=GREEN, Part Number=UBXH00-0000083, Part Type=Connector, Perferred=PREF, Permitted Use="Volume Products", RefDes=J, UBX Wiki=https://wiki.u-blox.com/bin/view/Operations/PartDetails?index=36362